# Altium PCB LeVentilateur.PcbDoc (part 1 of 2) (continued)
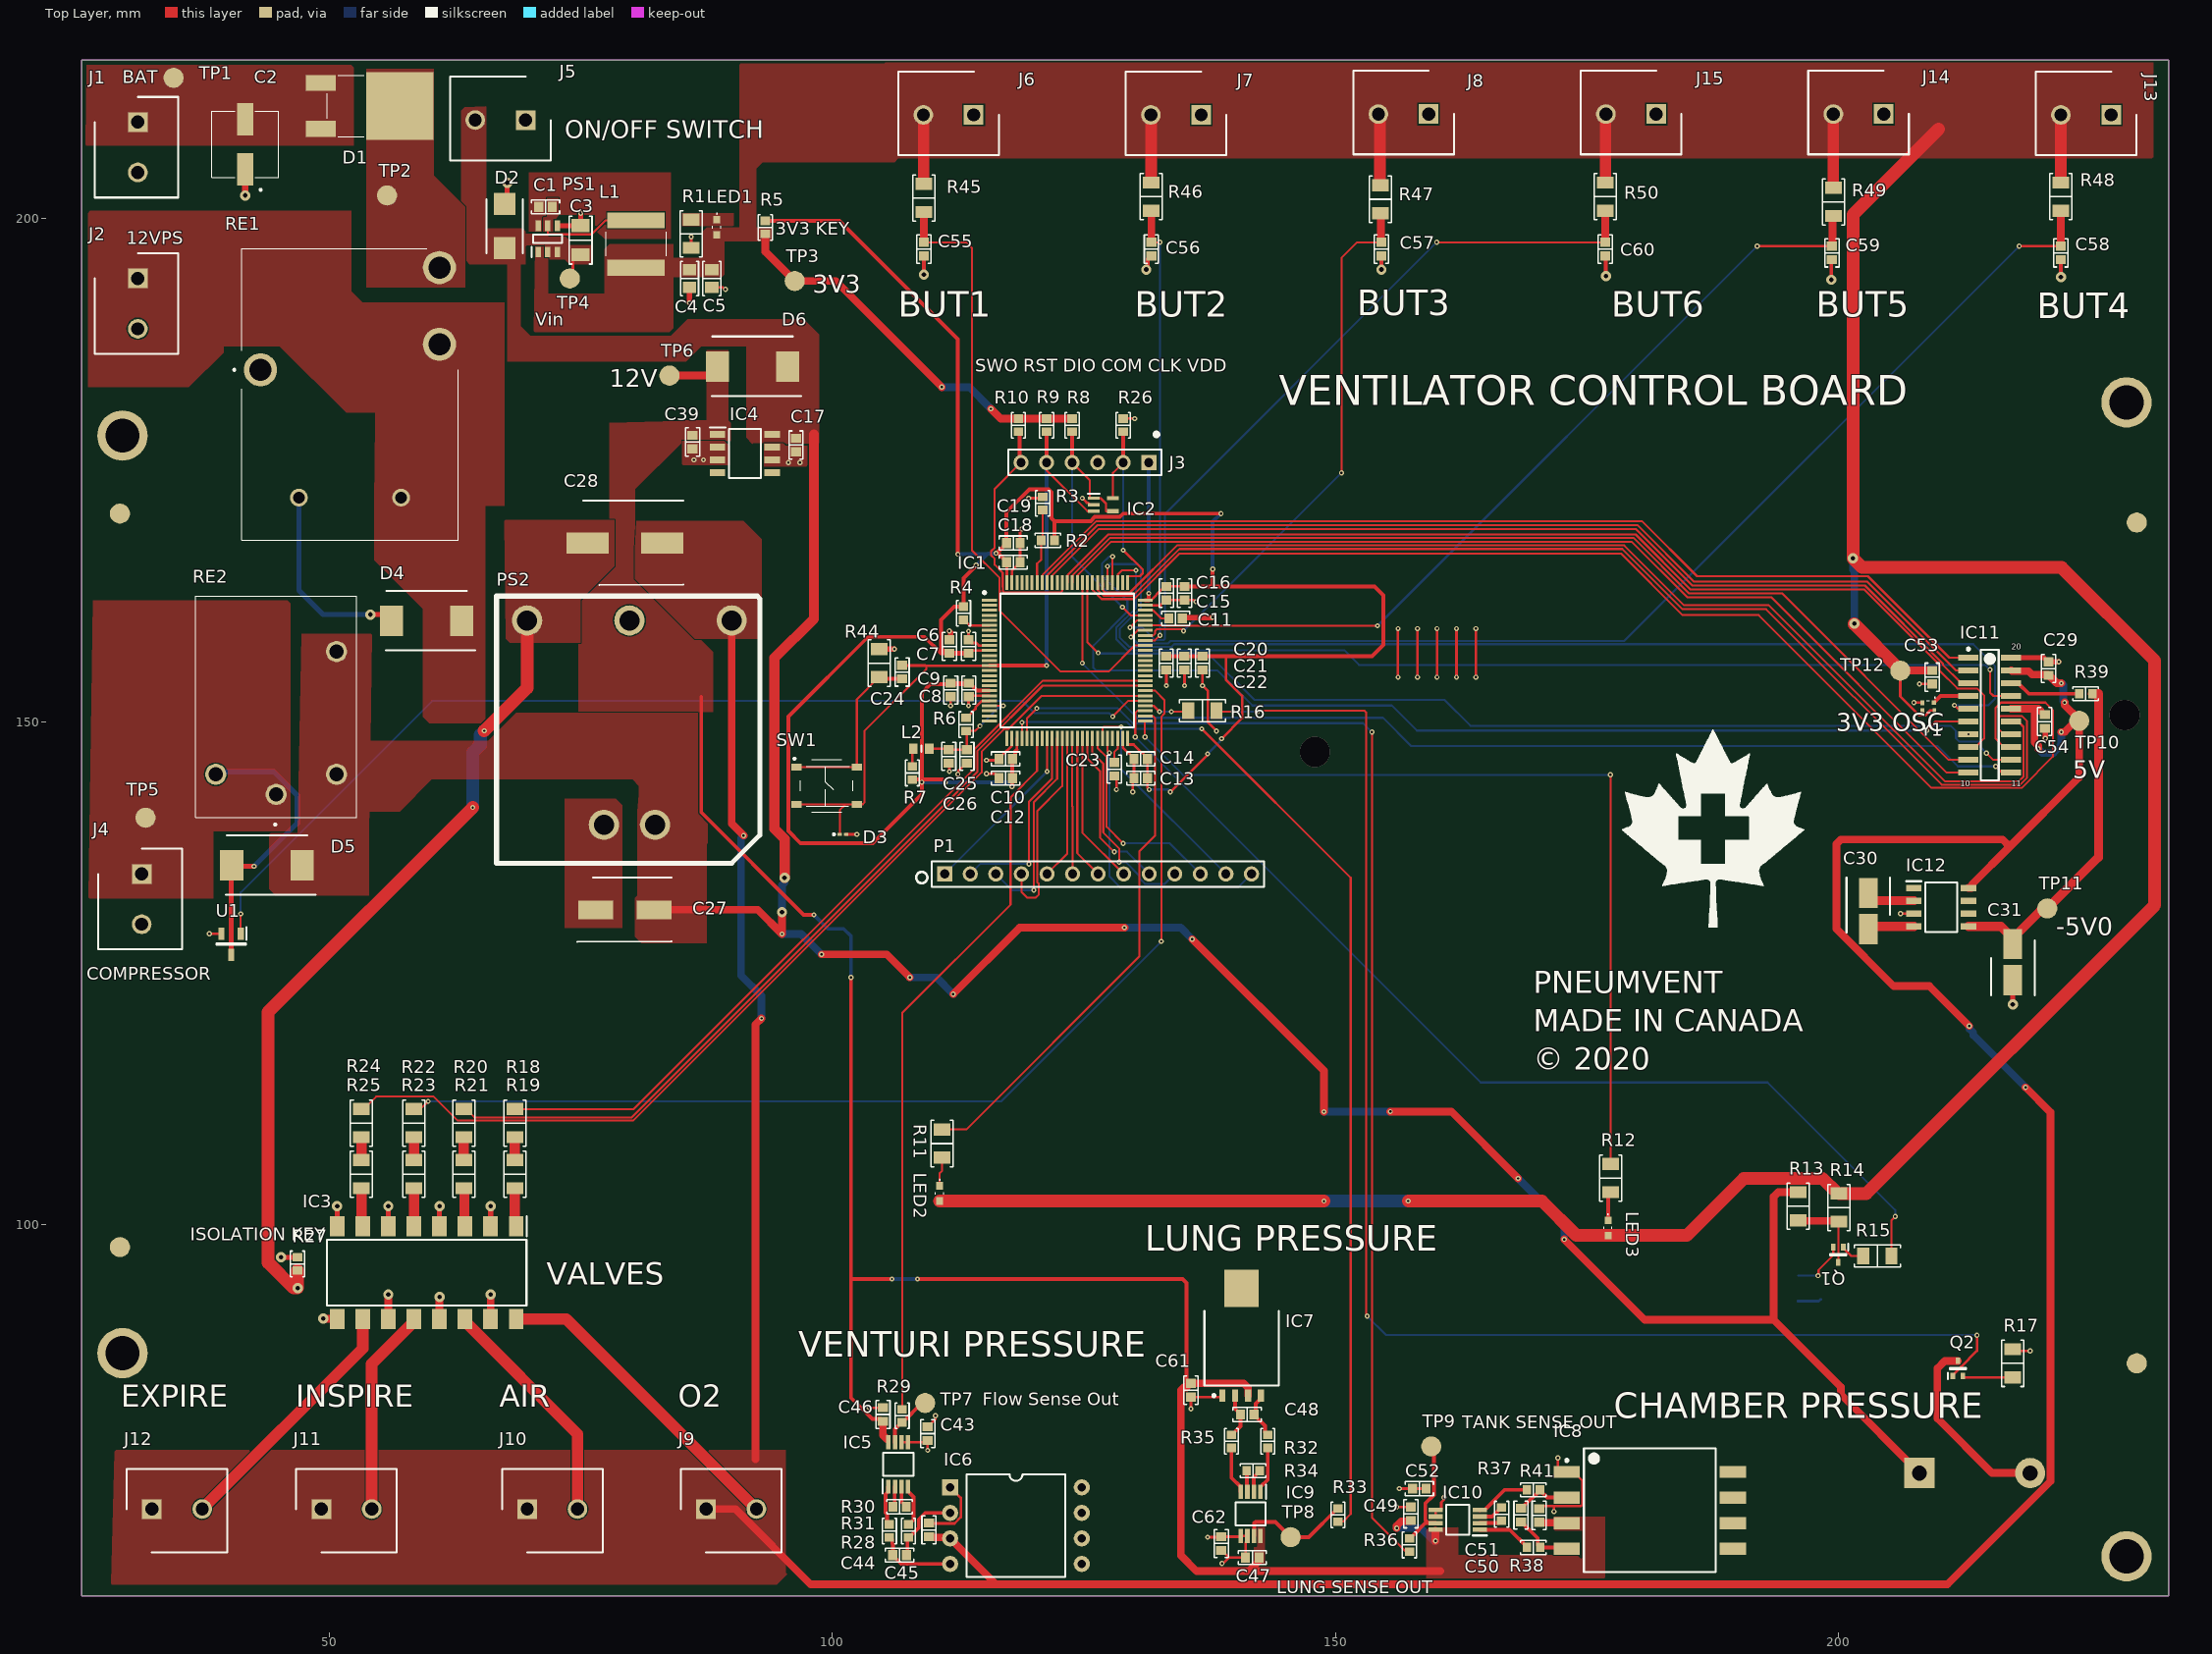
[diagram p0: Top Layer view]
## Part data (continued)
LED4: library part QBHP686-IWK-CW, "Red 620nm LED Indication - Discrete 2.4V 1113 (2835 Metric)", Case/Package=1113, Color=Red, Forward Voltage=2.4V, Lens Color=Colorless, Manufacturer 1=QT-Brightek, Manufacturer Part Number 1=QBHP686-RH, Supplier Part Number 1=1516-1369-1-ND, Test Current=150mA, Case Code (Imperial)=1113, ComponentLink1Description="http://www.qt-brightek.com/datasheet/QBHP686-XXH Series.pdf?src-supplier=Digi-Key", ComponentLink1URL="http://www.qt-brightek.com/datasheet/QBHP686-XXH Series.pdf?src-supplier=Digi-Key", Dominant Wavelength=620nm, Height=1mm, Length=3.1mm, Lens Style=Flat, Lens Transparency=Clear, Mount="Surface Mount", Packaging="Tape and Reel", Pricing 1="1 = 0.85000, 10 = 0.66200, 100 = 0.42530, 500 = 0.35910, 1000 = 0.28350 (USD)", RoHS 1=No, Stock 1=3690, Supplier 1=Digi-Key, Viewing Angle=120°, Width=2.8mm
P1: "Header, 13-Pin", Color=Black, Manufacturer 1=Sullins, Manufacturer Part Number 1=PREC013SAAN-RC, Package Quantity=1, Supplier Part Number 1=S1012EC-13-ND, ComponentLink1Description=https://datasheet.ciiva.com/740/zrzczzzszzn-rc-st-11635-b-740832.pdf?src-supplier=Digi-Key, ComponentLink1URL=https://datasheet.ciiva.com/740/zrzczzzszzn-rc-st-11635-b-740832.pdf?src-supplier=Digi-Key, Connector Type="Male Pin", Contact Mating Length=0.23inch, Contact Plating=Tin, Description 1="CONN HEADER .100 SNGL STR 13POS", LatestRevisionDate=17-Jul-2002, LatestRevisionNote="Re-released for DXP Platform.", Mount="Through Hole", Number of Positions=13, Number of Rows=1, Packaging=Bulk, Pitch=0.1inch, Pricing 1="1 = 0.29000, 10 = 0.27000, 25 = 0.23160, 50 = 0.19700, 100 = 0.18920, 250 = 0.16988, 500 = 0.16216 (USD)", Publisher="Altium Limited", RoHS 1=Yes, Stock 1=1831, Supplier 1=Digi-Key, Termination=Solder
PS1: "IC REG BUCK 3.3V 2A TSOT26", Manufacturer 1=Diodes, Supplier Part Number 1=AP63203WU-7DICT-ND, ComponentLink1Description=http://www.farnell.com/datasheets/2741240.pdf?src-supplier=Farnell, ComponentLink1URL=http://www.farnell.com/datasheets/2741240.pdf?src-supplier=Farnell, ComponentLink2Description=https://api.kemet.com/component-edge/download/datasheet/C0603C104K5RECAUTO.pdf?src-supplier=Digi-Key, ComponentLink2URL=https://api.kemet.com/component-edge/download/datasheet/C0603C104K5RECAUTO.pdf?src-supplier=Digi-Key, ComponentLink3Description=http://www.farnell.com/datasheets/2741240.pdf?src-supplier=Newark, ComponentLink3URL=http://www.farnell.com/datasheets/2741240.pdf?src-supplier=Newark, ComponentLink4Description=http://www.samsungsem.com/kr/support/product-search/mlcc/CL31A106MBHNNNE.jsp?src-supplier=Digi-Key, ComponentLink4URL=http://www.samsungsem.com/kr/support/product-search/mlcc/CL31A106MBHNNNE.jsp?src-supplier=Digi-Key, Description 1="AP63203 Series 3.3 V 2 A SMT Fixed Low IQ Synchronous Buck - TSOT-26", Manufacturer Part Number 1=AP63203WU-7, Pricing 1="1 = 0.83000, 10 = 0.74500, 25 = 0.70720, 100 = 0.54290, 250 = 0.47976, 500 = 0.45450, 1000 = 0.35350 (USD)", RoHS 1=No, Stock 1=8615, Supplier 1=Digi-Key
PS2: "5V 1.2A Though Hole Power Modules", Manufacturer 1=LCS-HENIPER, Manufacturer Part Number 1=HL06M12S05A
Q1 Q2: library part 2N7002,215, "MOSFET N-CH 60V 300MA SOT-23", Continuous Drain Current (ID)=200mA, Drain to Source Voltage (Vdss)=50V, Input Capacitance=26pF, Manufacturer 1=Rohm, Manufacturer Part Number 1=RYE002N05TCL, Max Power Dissipation=150mW, Supplier Part Number 1=RYE002N05TCLCT-ND, ComponentLink1Description=Datasheet, ComponentLink1URL=http://www.nxp.com/documents/data_sheet/2N7002.pdf, ComponentLink2Description="Digi-Key Listing", ComponentLink2URL=http://www.digikey.com/product-detail/en/2N7002,215/568-1369-2-ND/762973, ComponentLink3Description=http://www.mouser.com/ds/2/348/rye002n05-515252.pdf?src-supplier=Mouser, ComponentLink3URL=http://www.mouser.com/ds/2/348/rye002n05-515252.pdf?src-supplier=Mouser, ComponentLink4Description=https://www.rohm.com/datasheet/RYE002N05?src-supplier=Digi-Key, ComponentLink4URL=https://www.rohm.com/datasheet/RYE002N05?src-supplier=Digi-Key, ComponentLink5Description=http://www.rohm.com/web/global/datasheet/RYE002N05?src-supplier=Digi-Key, ComponentLink5URL=http://www.rohm.com/web/global/datasheet/RYE002N05?src-supplier=Digi-Key, ComponentLink6Description=http://rohmfs.rohm.com/en/products/databook/datasheet/discrete/transistor/mosfet/rye002n05.pdf?src-supplier=Avnet, ComponentLink6URL=http://rohmfs.rohm.com/en/products/databook/datasheet/discrete/transistor/mosfet/rye002n05.pdf?src-supplier=Avnet, Description 1="MOSFET N-CH 50V 0.2A EMT3", Lead Free="Lead Free", Mount="Surface Mount", Packaging="Tape and Reel", Pricing 1="1 = 0.20000, 10 = 0.16300, 25 = 0.13680, 100 = 0.08660, 250 = 0.06688, 500 = 0.05700, 1000 = 0.03876 (USD)", Rds On Max=2.2R, RoHS 1=Yes, Stock 1=5369, Supplier 1=Digi-Key
R1 R11 R12 R13 R18 R19 R20 R21 R22 R23 R24 R25 R44 R45 R46 R47 R48 R49 R50: library part ERJ-8ENF1002V, "RES SMD 10K OHM 1% 1/4W 1206", Case/Package=1206, Case Code (Metric)=3216, Manufacturer 1=Yageo, Manufacturer Part Number 1=RC1206FR-07200RL, Max Operating Temperature=155°C, Min Operating Temperature=-55°C, Power Rating=250mW, Resistance=200R, Supplier Part Number 1=311-200FRCT-ND, Temperature Coefficient=100ppm/°C, Tolerance=1%, Voltage Rating=200V, Case Code (Imperial)=1206, ComponentLink1Description=Datasheet, ComponentLink1URL=http://industrial.panasonic.com/www-cgi/jvcr13pz.cgi?E+PZ+3+AOA0002+ERJ8ENF1002V+7+WW, ComponentLink2Description="Digi-Key listing", ComponentLink2URL=http://digikey.com/product-detail/en/ERJ-8ENF1002V/P10.0KFTR-ND/89059, ComponentLink3Description=https://datasheet.ciiva.com/11808/0900766b80c6630a-11808603.pdf?src-supplier=RSComponents, ComponentLink3URL=https://datasheet.ciiva.com/11808/0900766b80c6630a-11808603.pdf?src-supplier=RSComponents, Composition="Thick Film", Depth=1.6mm, Description 1="Res Thick Film 1206 200 Ohm 1% 0.25W(1/4W) ±100ppm/C Molded SMD Paper T/R", Height=0.55mm, Lead Free="Lead Free", Length=3.1mm, Military Standard=Not, Mount="Surface Mount", Packaging="Tape and Reel", Pricing 1="1 = 0.10000, 10 = 0.07100, 100 = 0.02910, 1000 = 0.01306, 2500 = 0.01134 (USD)", RoHS 1=Yes, Stock 1=2870115, Supplier 1=Digi-Key, Termination=SMD/SMT, Voltage Rating (DC)=200V, Weight=0.000571oz, Width=1.6mm
R2 R4 R5 R7 R27 R29 R30 R33 R34 R36 R37 R39: library part ERJ-3EKF1001V, "RES SMD 0 OHM JUMPER 1/10W 0603", Case/Package=0603, Case Code (Metric)=1608, Manufacturer 1=Panasonic, Manufacturer Part Number 1=ERJ-3GEY0R00V, Max Operating Temperature=155°C, Max Power Dissipation=100mW, Min Operating Temperature=-55°C, Package Quantity=1, Resistance=0mR, Supplier Part Number 1=P0.0GDKR-ND, Temperature Coefficient=600ppm/°C, Tolerance=0%, Voltage Rating=75V, Voltage Rating (DC)=50V, Case Code (Imperial)=0603, ComponentLink1Description=Datasheet, ComponentLink1URL=http://industrial.panasonic.com/www-cgi/jvcr13pz.cgi?E+PZ+3+AOA0002+ERJ3EKF1001V+7+WW, ComponentLink2Description="Digi-Key listing", ComponentLink2URL=http://digikey.com/product-detail/en/ERJ-3EKF1001V/P1.00KHTR-ND/196032, ComponentLink3Description=https://datasheet.ciiva.com/27055/1935748-27055113.pdf?src-supplier=Jameco, ComponentLink3URL=https://datasheet.ciiva.com/27055/1935748-27055113.pdf?src-supplier=Jameco, ComponentLink4Description=https://datasheet.ciiva.com/11808/0900766b80f806dd-11808207.pdf?src-supplier=RSComponents, ComponentLink4URL=https://datasheet.ciiva.com/11808/0900766b80f806dd-11808207.pdf?src-supplier=RSComponents, ComponentLink5Description=https://datasheet.ciiva.com/48532/aoa0000ce1-48532165.pdf?src-supplier=Avnet, ComponentLink5URL=https://datasheet.ciiva.com/48532/aoa0000ce1-48532165.pdf?src-supplier=Avnet, ComponentLink6Description=https://datasheet.ciiva.com/43460/1678796-43460647.pdf?src-supplier=Farnell, ComponentLink6URL=https://datasheet.ciiva.com/43460/1678796-43460647.pdf?src-supplier=Farnell, ComponentLink7Description=https://datasheet.ciiva.com/28695/1678796-28695833.pdf?src-supplier=Element14, ComponentLink7URL=https://datasheet.ciiva.com/28695/1678796-28695833.pdf?src-supplier=Element14, ComponentLink8Description=https://datasheet.ciiva.com/5959/1678796-5959707.pdf?src-supplier=Farnell, ComponentLink8URL=https://datasheet.ciiva.com/5959/1678796-5959707.pdf?src-supplier=Farnell, ComponentLink9Description=https://datasheet.ciiva.com/46377/1678796-46377868.pdf?src-supplier=Element14, ComponentLink9URL=https://datasheet.ciiva.com/46377/1678796-46377868.pdf?src-supplier=Element14, ComponentLink10Description=https://datasheet.ciiva.com/9198/aoa0000ce1-9198975.pdf?src-supplier=Avnet, ComponentLink10URL=https://datasheet.ciiva.com/9198/aoa0000ce1-9198975.pdf?src-supplier=Avnet, ComponentLink11Description=https://datasheet.ciiva.com/16758/70255313-16758527.pdf?src-supplier=Allied+Electronics, ComponentLink11URL=https://datasheet.ciiva.com/16758/70255313-16758527.pdf?src-supplier=Allied+Electronics, ComponentLink12Description=https://datasheet.ciiva.com/16834/aoa0000ce1-16834828.pdf?src-supplier=Future+Electronics, ComponentLink12URL=https://datasheet.ciiva.com/16834/aoa0000ce1-16834828.pdf?src-supplier=Future+Electronics, ComponentLink13Description=https://datasheet.ciiva.com/17215/aoa0000ce1-17215388.pdf?src-supplier=Avnet+Europe, ComponentLink13URL=https://datasheet.ciiva.com/17215/aoa0000ce1-17215388.pdf?src-supplier=Avnet+Europe, ComponentLink14Description=https://datasheet.ciiva.com/30199/4aoa0000ce1-30199822.pdf?src-supplier=Onlinecomponents.com, ComponentLink14URL=https://datasheet.ciiva.com/30199/4aoa0000ce1-30199822.pdf?src-supplier=Onlinecomponents.com, Composition="Thick Film", Contact Plating=Tin, Depth=0.8mm, Description 1="Res Thick Film 0603 0 Ohm Jumper Molded SMD Punched Carrier T/R", Features="Automotive AEC-Q200", Height=0.45mm, Lead Free="Lead Free", Length=1.6mm, Military Standard=Not, Mount="Surface Mount", Number of Terminations=2, Packaging="Tape and Reel", Power Rating=100mW, Pricing 1="1 = 0.10000, 10 = 0.03800, 25 = 0.02760, 50 = 0.02120, 100 = 0.01560, 250 = 0.01188, 500 = 0.00950, 1000 = 0.00700 (USD)", Radiation Hardening=No, REACH SVHC="No SVHC", RoHS 1=Yes, Stock 1=17444338, Supplier 1=Digi-Key, Termination=SMD/SMT, Width=0.031inch
R3 R8 R9 R10 R26: library part ERJ-3EKF1001V, "RES SMD 10K OHM 5% 1/10W 0603", Case/Package=0603, Case Code (Metric)=1608, Manufacturer 1=Yageo, Manufacturer Part Number 1=RC0603JR-0710KL, Max Operating Temperature=155°C, Max Power Dissipation=100mW, Min Operating Temperature=-55°C, Resistance=10kR, Supplier Part Number 1=311-10KGRCT-ND, Temperature Coefficient=100ppm/°C, Tolerance=5%, Voltage Rating=50V, Case Code (Imperial)=0603, ComponentLink1Description=Datasheet, ComponentLink1URL=http://industrial.panasonic.com/www-cgi/jvcr13pz.cgi?E+PZ+3+AOA0002+ERJ3EKF1001V+7+WW, ComponentLink2Description="Digi-Key listing", ComponentLink2URL=http://digikey.com/product-detail/en/ERJ-3EKF1001V/P1.00KHTR-ND/196032, ComponentLink3Description=https://datasheet.ciiva.com/27055/1935748-27055113.pdf?src-supplier=Jameco, ComponentLink3URL=https://datasheet.ciiva.com/27055/1935748-27055113.pdf?src-supplier=Jameco, ComponentLink4Description=https://datasheet.ciiva.com/11808/0900766b80f806dd-11808207.pdf?src-supplier=RSComponents, ComponentLink4URL=https://datasheet.ciiva.com/11808/0900766b80f806dd-11808207.pdf?src-supplier=RSComponents, ComponentLink5Description=https://datasheet.ciiva.com/48532/aoa0000ce1-48532165.pdf?src-supplier=Avnet, ComponentLink5URL=https://datasheet.ciiva.com/48532/aoa0000ce1-48532165.pdf?src-supplier=Avnet, ComponentLink6Description=https://datasheet.ciiva.com/43460/1678796-43460647.pdf?src-supplier=Farnell, ComponentLink6URL=https://datasheet.ciiva.com/43460/1678796-43460647.pdf?src-supplier=Farnell, ComponentLink7Description=https://datasheet.ciiva.com/28695/1678796-28695833.pdf?src-supplier=Element14, ComponentLink7URL=https://datasheet.ciiva.com/28695/1678796-28695833.pdf?src-supplier=Element14, ComponentLink8Description=https://datasheet.ciiva.com/5959/1678796-5959707.pdf?src-supplier=Farnell, ComponentLink8URL=https://datasheet.ciiva.com/5959/1678796-5959707.pdf?src-supplier=Farnell, ComponentLink9Description=https://datasheet.ciiva.com/46377/1678796-46377868.pdf?src-supplier=Element14, ComponentLink9URL=https://datasheet.ciiva.com/46377/1678796-46377868.pdf?src-supplier=Element14, ComponentLink10Description=https://datasheet.ciiva.com/9198/aoa0000ce1-9198975.pdf?src-supplier=Avnet, ComponentLink10URL=https://datasheet.ciiva.com/9198/aoa0000ce1-9198975.pdf?src-supplier=Avnet, ComponentLink11Description=https://datasheet.ciiva.com/16758/70255313-16758527.pdf?src-supplier=Allied+Electronics, ComponentLink11URL=https://datasheet.ciiva.com/16758/70255313-16758527.pdf?src-supplier=Allied+Electronics, ComponentLink12Description=https://datasheet.ciiva.com/16834/aoa0000ce1-16834828.pdf?src-supplier=Future+Electronics, ComponentLink12URL=https://datasheet.ciiva.com/16834/aoa0000ce1-16834828.pdf?src-supplier=Future+Electronics, ComponentLink13Description=https://datasheet.ciiva.com/17215/aoa0000ce1-17215388.pdf?src-supplier=Avnet+Europe, ComponentLink13URL=https://datasheet.ciiva.com/17215/aoa0000ce1-17215388.pdf?src-supplier=Avnet+Europe, ComponentLink14Description=https://datasheet.ciiva.com/30199/4aoa0000ce1-30199822.pdf?src-supplier=Onlinecomponents.com, ComponentLink14URL=https://datasheet.ciiva.com/30199/4aoa0000ce1-30199822.pdf?src-supplier=Onlinecomponents.com, ComponentLink15Description=https://datasheet.ciiva.com/2452/pyu-rc-group-51-rohs-l-10-2452848.pdf?src-supplier=Digi-Key, ComponentLink15URL=https://datasheet.ciiva.com/2452/pyu-rc-group-51-rohs-l-10-2452848.pdf?src-supplier=Digi-Key, Composition="Thick Film", Contact Plating=Tin,Matte, Depth=0.8mm, Description 1="Surface Mount Thick Film Resistor, RC Series, 10 kohm, 100 mW, - 5%, 50 V, 0603 [1608 Metric]", Features="Moisture Resistant", Height - Seated (Max)=0.022inch, Lead Free="Lead Free", Length=0.063inch, Military Standard=Not, Number of Pins=2, Number of Terminations=2, Packaging="Tape and Reel", Power Rating=100mW, Pricing 1="1 = 0.10000, 10 = 0.01900, 100 = 0.00770, 1000 = 0.00347, 2500 = 0.00301 (USD)", Radiation Hardening=No, REACH SVHC=Unknown, RoHS 1=Yes, Stock 1=3333728, Supplier 1=Digi-Key, Termination=SMD/SMT, Voltage Rating (DC)=50V, Width=0.031inch
R6: library part ERJ-3EKF1001V, "RESISTOR 47 Ohms ±5% 0.1W, 1/10W Chip Resistor 0603", Manufacturer 1="TE Connectivity", Manufacturer Part Number 1=CRGCQ0603J47R, Supplier Part Number 1=A130083CT-ND, ComponentLink1Description=Datasheet, ComponentLink1URL=http://industrial.panasonic.com/www-cgi/jvcr13pz.cgi?E+PZ+3+AOA0002+ERJ3EKF1001V+7+WW, ComponentLink2Description="Digi-Key listing", ComponentLink2URL=http://digikey.com/product-detail/en/ERJ-3EKF1001V/P1.00KHTR-ND/196032, ComponentLink3Description=https://datasheet.ciiva.com/27055/1935748-27055113.pdf?src-supplier=Jameco, ComponentLink3URL=https://datasheet.ciiva.com/27055/1935748-27055113.pdf?src-supplier=Jameco, ComponentLink4Description=https://datasheet.ciiva.com/11808/0900766b80f806dd-11808207.pdf?src-supplier=RSComponents, ComponentLink4URL=https://datasheet.ciiva.com/11808/0900766b80f806dd-11808207.pdf?src-supplier=RSComponents, ComponentLink5Description=https://datasheet.ciiva.com/48532/aoa0000ce1-48532165.pdf?src-supplier=Avnet, ComponentLink5URL=https://datasheet.ciiva.com/48532/aoa0000ce1-48532165.pdf?src-supplier=Avnet, ComponentLink6Description=https://datasheet.ciiva.com/43460/1678796-43460647.pdf?src-supplier=Farnell, ComponentLink6URL=https://datasheet.ciiva.com/43460/1678796-43460647.pdf?src-supplier=Farnell, ComponentLink7Description=https://datasheet.ciiva.com/28695/1678796-28695833.pdf?src-supplier=Element14, ComponentLink7URL=https://datasheet.ciiva.com/28695/1678796-28695833.pdf?src-supplier=Element14, ComponentLink8Description=https://datasheet.ciiva.com/5959/1678796-5959707.pdf?src-supplier=Farnell, ComponentLink8URL=https://datasheet.ciiva.com/5959/1678796-5959707.pdf?src-supplier=Farnell, ComponentLink9Description=https://datasheet.ciiva.com/46377/1678796-46377868.pdf?src-supplier=Element14, ComponentLink9URL=https://datasheet.ciiva.com/46377/1678796-46377868.pdf?src-supplier=Element14, ComponentLink10Description=https://datasheet.ciiva.com/9198/aoa0000ce1-9198975.pdf?src-supplier=Avnet, ComponentLink10URL=https://datasheet.ciiva.com/9198/aoa0000ce1-9198975.pdf?src-supplier=Avnet, ComponentLink11Description=https://datasheet.ciiva.com/16758/70255313-16758527.pdf?src-supplier=Allied+Electronics, ComponentLink11URL=https://datasheet.ciiva.com/16758/70255313-16758527.pdf?src-supplier=Allied+Electronics, ComponentLink12Description=https://datasheet.ciiva.com/16834/aoa0000ce1-16834828.pdf?src-supplier=Future+Electronics, ComponentLink12URL=https://datasheet.ciiva.com/16834/aoa0000ce1-16834828.pdf?src-supplier=Future+Electronics, ComponentLink13Description=https://datasheet.ciiva.com/17215/aoa0000ce1-17215388.pdf?src-supplier=Avnet+Europe, ComponentLink13URL=https://datasheet.ciiva.com/17215/aoa0000ce1-17215388.pdf?src-supplier=Avnet+Europe, ComponentLink14Description=https://datasheet.ciiva.com/30199/4aoa0000ce1-30199822.pdf?src-supplier=Onlinecomponents.com, ComponentLink14URL=https://datasheet.ciiva.com/30199/4aoa0000ce1-30199822.pdf?src-supplier=Onlinecomponents.com, ComponentLink15Description=https://www.te.com/commerce/DocumentDelivery/DDEController?Action=srchrtrv&DocNm=1773204-3&DocType=DS&DocLang=English&src-supplier=Digi-Key, ComponentLink15URL=https://www.te.com/commerce/DocumentDelivery/DDEController?Action=srchrtrv&DocNm=1773204-3&DocType=DS&DocLang=English&src-supplier=Digi-Key, Description 1="CRGCQ 0603 47R 5%", Pricing 1="1 = 0.10000, 10 = 0.02100, 100 = 0.00860, 1000 = 0.00387, 2500 = 0.00336 (USD)", RoHS 1=No, Stock 1=81962, Supplier 1=Digi-Key
R14 R15 R16: library part ERJ-8ENF10R0V, "RES 20 OHM 1% 1/2W 1206", Case/Package=1206, Case Code (Metric)=3216, Manufacturer 1="Stackpole Electronics", Manufacturer Part Number 1=RNCP1206FTD20R0, Max Operating Temperature=155°C, Max Power Dissipation=500mW, Min Operating Temperature=-55°C, Resistance=20R, Supplier Part Number 1=RNCP1206FTD20R0CT-ND, Temperature Coefficient=100ppm/°C, Tolerance=1%, Case Code (Imperial)=1206, ComponentLink1Description=Datasheet, ComponentLink1URL=http://industrial.panasonic.com/www-cgi/jvcr13pz.cgi?E+PZ+3+AOA0002+ERJ8ENF10R0V+7+WW, ComponentLink2Description="Digi-Key listing", ComponentLink2URL=http://digikey.com/product-detail/en/ERJ-8ENF10R0V/P10.0FTR-ND/88239, ComponentLink3Description=http://www.seielect.com/Catalog/SEI-rncp.pdf?src-supplier=Digi-Key, ComponentLink3URL=http://www.seielect.com/Catalog/SEI-rncp.pdf?src-supplier=Digi-Key, ComponentLink4Description=https://www.seielect.com/catalog/SEI-Packaging.pdf?src-supplier=Digi-Key, ComponentLink4URL=https://www.seielect.com/catalog/SEI-Packaging.pdf?src-supplier=Digi-Key, Composition="Thin Film", Description 1="RES SMD 20 OHM 1% 1/2W 1206", Features="Moisture Resistant,Anti-Sulfur", Height=0.024inch, Lead Free="Lead Free", Length=0.122inch, Mount="Surface Mount", Number of Terminations=2, Packaging="Tape and Reel", Pricing 1="1 = 0.10000, 10 = 0.08900, 100 = 0.03410, 1000 = 0.01500, 2500 = 0.01296 (USD)", RoHS 1=Yes, Stock 1=55462, Supplier 1=Digi-Key, Width=0.059inch
R17: library part ERJ-8ENF10R0V, "RES SMD 1.2K OHM 1% 1/4W 1206", Case/Package=1206, Case Code (Metric)=3216, Manufacturer 1=Yageo, Manufacturer Part Number 1=RC1206FR-071K2L, Max Operating Temperature=155°C, Max Power Dissipation=250mW, Min Operating Temperature=-55°C, Package Quantity=1, Resistance=1.2kR, Supplier Part Number 1=311-1.20KFRCT-ND, Temperature Coefficient=100ppm/°C, Tolerance=1%, Voltage Rating=200V, Case Code (Imperial)=1206, ComponentLink1Description=Datasheet, ComponentLink1URL=http://industrial.panasonic.com/www-cgi/jvcr13pz.cgi?E+PZ+3+AOA0002+ERJ8ENF10R0V+7+WW, ComponentLink2Description="Digi-Key listing", ComponentLink2URL=http://digikey.com/product-detail/en/ERJ-8ENF10R0V/P10.0FTR-ND/88239, ComponentLink3Description=http://www.seielect.com/Catalog/SEI-rncp.pdf?src-supplier=Digi-Key, ComponentLink3URL=http://www.seielect.com/Catalog/SEI-rncp.pdf?src-supplier=Digi-Key, ComponentLink4Description=https://www.seielect.com/catalog/SEI-Packaging.pdf?src-supplier=Digi-Key, ComponentLink4URL=https://www.seielect.com/catalog/SEI-Packaging.pdf?src-supplier=Digi-Key, ComponentLink5Description=https://datasheet.ciiva.com/7857/444357-7857274.pdf?src-supplier=Element14, ComponentLink5URL=https://datasheet.ciiva.com/7857/444357-7857274.pdf?src-supplier=Element14, ComponentLink6Description=https://datasheet.ciiva.com/7857/444357-7857275.pdf?src-supplier=Element14, ComponentLink6URL=https://datasheet.ciiva.com/7857/444357-7857275.pdf?src-supplier=Element14, ComponentLink7Description=https://datasheet.ciiva.com/2460/pyu-rc1206-51-rohs-l-4-2460285.pdf?src-supplier=Digi-Key, ComponentLink7URL=https://datasheet.ciiva.com/2460/pyu-rc1206-51-rohs-l-4-2460285.pdf?src-supplier=Digi-Key, ComponentLink8Description=https://datasheet.ciiva.com/2460/pyu-rc1206-51-rohs-l-4-2460286.pdf?src-supplier=Digi-Key, ComponentLink8URL=https://datasheet.ciiva.com/2460/pyu-rc1206-51-rohs-l-4-2460286.pdf?src-supplier=Digi-Key, ComponentLink9Description=https://datasheet.ciiva.com/2460/pyu-rc1206-51-rohs-l-4-2460287.pdf?src-supplier=Digi-Key, ComponentLink9URL=https://datasheet.ciiva.com/2460/pyu-rc1206-51-rohs-l-4-2460287.pdf?src-supplier=Digi-Key, Composition="Thick Film", Depth=1.6mm, Description 1="RES SMD 1.2K OHM 1% 1/4W 1206", Features="Moisture Resistant", Height=0.026inch, Lead Free="Lead Free", Length=3.1mm, Military Standard=Not, Number of Terminations=2, Packaging="Tape and Reel", Power Rating=250mW, Pricing 1="1 = 0.10000, 10 = 0.07100, 100 = 0.02910, 1000 = 0.01306, 2500 = 0.01134 (USD)", REACH SVHC=Unknown, RoHS 1=Yes, Stock 1=670082, Supplier 1=Digi-Key, Termination=SMD/SMT, Width=0.063inch, Working Voltage=200V
R28 R31 R32 R35 R38 R41: library part ERJ-3EKF1001V, "RES SMD100K OHM 0.5% 1/16W 0603", Case/Package=0603, Case Code (Metric)=1608, Manufacturer 1=Susumu, Manufacturer Part Number 1=RR0816P-104-D, Max Operating Temperature=125°C, Max Power Dissipation=63mW, Min Operating Temperature=-55°C, Package Quantity=1, Resistance=100kR, Supplier Part Number 1=RR08P100KDCT-ND, Temperature Coefficient=25ppm/°C, Tolerance=0.5%, Voltage Rating=75V, Case Code (Imperial)=0603, ComponentLink1Description=https://datasheet.ciiva.com/11820/0900766b80808d64-11820638.pdf?src-supplier=RSComponents, ComponentLink1URL=https://datasheet.ciiva.com/11820/0900766b80808d64-11820638.pdf?src-supplier=RSComponents, ComponentLink2Description=https://datasheet.ciiva.com/7984/87330-7984341.pdf?src-supplier=Element14, ComponentLink2URL=https://datasheet.ciiva.com/7984/87330-7984341.pdf?src-supplier=Element14, ComponentLink3Description=https://datasheet.ciiva.com/2487/rr-data-sheet-2487067.pdf?src-supplier=Digi-Key, ComponentLink3URL=https://datasheet.ciiva.com/2487/rr-data-sheet-2487067.pdf?src-supplier=Digi-Key, ComponentLink4Description=https://datasheet.ciiva.com/2487/rr-data-sheet-2487068.pdf?src-supplier=Digi-Key, ComponentLink4URL=https://datasheet.ciiva.com/2487/rr-data-sheet-2487068.pdf?src-supplier=Digi-Key, ComponentLink5Description=https://datasheet.ciiva.com/2487/rr-data-sheet-2487069.pdf?src-supplier=Digi-Key, ComponentLink5URL=https://datasheet.ciiva.com/2487/rr-data-sheet-2487069.pdf?src-supplier=Digi-Key, ComponentLink6Description=https://datasheet.ciiva.com/11820/0900766b80808d64-11820394.pdf?src-supplier=RSComponents, ComponentLink6URL=https://datasheet.ciiva.com/11820/0900766b80808d64-11820394.pdf?src-supplier=RSComponents, ComponentLink7Description=https://datasheet.ciiva.com/28695/1678796-28695833.pdf?src-supplier=Element14, ComponentLink7URL=https://datasheet.ciiva.com/28695/1678796-28695833.pdf?src-supplier=Element14, ComponentLink8Description=https://datasheet.ciiva.com/5959/1678796-5959707.pdf?src-supplier=Farnell, ComponentLink8URL=https://datasheet.ciiva.com/5959/1678796-5959707.pdf?src-supplier=Farnell, ComponentLink9Description=https://datasheet.ciiva.com/46377/1678796-46377868.pdf?src-supplier=Element14, ComponentLink9URL=https://datasheet.ciiva.com/46377/1678796-46377868.pdf?src-supplier=Element14, ComponentLink10Description=https://datasheet.ciiva.com/9198/aoa0000ce1-9198975.pdf?src-supplier=Avnet, ComponentLink10URL=https://datasheet.ciiva.com/9198/aoa0000ce1-9198975.pdf?src-supplier=Avnet, ComponentLink11Description=https://datasheet.ciiva.com/16758/70255313-16758527.pdf?src-supplier=Allied+Electronics, ComponentLink11URL=https://datasheet.ciiva.com/16758/70255313-16758527.pdf?src-supplier=Allied+Electronics, ComponentLink12Description=https://datasheet.ciiva.com/16834/aoa0000ce1-16834828.pdf?src-supplier=Future+Electronics, ComponentLink12URL=https://datasheet.ciiva.com/16834/aoa0000ce1-16834828.pdf?src-supplier=Future+Electronics, ComponentLink13Description=https://datasheet.ciiva.com/17215/aoa0000ce1-17215388.pdf?src-supplier=Avnet+Europe, ComponentLink13URL=https://datasheet.ciiva.com/17215/aoa0000ce1-17215388.pdf?src-supplier=Avnet+Europe, ComponentLink14Description=https://datasheet.ciiva.com/30199/4aoa0000ce1-30199822.pdf?src-supplier=Onlinecomponents.com, ComponentLink14URL=https://datasheet.ciiva.com/30199/4aoa0000ce1-30199822.pdf?src-supplier=Onlinecomponents.com, ComponentLink15Description=https://datasheet.ciiva.com/7984/87330-7984334.pdf?src-supplier=Element14, ComponentLink15URL=https://datasheet.ciiva.com/7984/87330-7984334.pdf?src-supplier=Element14, Composition="Thin Film", Depth=0.8mm, Description 1="RES SMD 100K OHM 0.5% 1/16W 0603", Height=0.4mm, Lead Free="Lead Free", Length=1.6mm, Number of Pins=2, Number of Terminations=2, Packaging="Tape and Reel", Power Rating=63mW, Pricing 1="1 = 0.10000, 10 = 0.09300, 100 = 0.03580, 1000 = 0.01575, 2500 = 0.01360 (USD)", REACH SVHC=Unknown, RoHS 1=Yes, Stock 1=90889, Supplier 1=Digi-Key, Termination=SMD/SMT, Voltage Rating (DC)=75V, Width=0.8mm, Working Voltage=75V
RE1: "RELAY GEN PURPOSE SPDT 20A 12V", Coil Current=75mA, Coil Power=900mW, Coil Resistance=160R, Coil Voltage (DC)=12V, Contact Current Rating=20A, Manufacturer 1="TE Connectivity P&B", Manufacturer Part Number 1=T9GV5L14-12, Max Operating Temperature=105°C, Min Operating Temperature=-40°C, Supplier Part Number 1=PB2355-ND, Coil Type=Non-Latching, ComponentLink1Description=https://www.te.com/commerce/DocumentDelivery/DDEController?Action=srchrtrv&amp;DocNm=T9G_1216&amp;DocType=DS&amp;DocLang=English&src-supplier=Digi-Key, ComponentLink1URL=https://www.te.com/commerce/DocumentDelivery/DDEController?Action=srchrtrv&amp;DocNm=T9G_1216&amp;DocType=DS&amp;DocLang=English&src-supplier=Digi-Key, Contact Material=Tin,Silver, Mount="Through Hole", Operate Time=15ms, Packaging=Bulk, Pricing 1="1 = 4.10000, 10 = 3.84800, 25 = 3.42000, 50 = 3.24900, 100 = 3.07800, 250 = 2.73600, 500 = 2.56500, 1000 = 2.39400, 5000 = 2.30850 (USD)", Relay Type="General Purpose", Release Time=22ms, RoHS 1=No, Stock 1=1403, Supplier 1=Digi-Key, Termination="PC Pin", Throw Configuration=SPDT
RE2: "RELAY AUTOMOTIVE SPST 15A 12V", Coil Current=53.3mA, Coil Power=640mW, Coil Resistance=225R, Coil Voltage (DC)=12V, Contact Current Rating=15A, Manufacturer 1=Panasonic, Manufacturer Part Number 1=JSM1A-12V-5, Max Operating Temperature=85°C, Max Voltage Rating (DC)=16V, Min Operating Temperature=-40°C, Package Quantity=100, Supplier Part Number 1=255-2815-ND, Coil Type=Non-Latching, ComponentLink1Description=https://datasheet.ciiva.com/2408/ds-61211-en-jsm-pd-2408039.pdf?src-supplier=Digi-Key, ComponentLink1URL=https://datasheet.ciiva.com/2408/ds-61211-en-jsm-pd-2408039.pdf?src-supplier=Digi-Key, Contact Material=Silver,Cadmium, Description 1="RELAY AUTOMOTIVE SPST 15A 12V", Lead Free="Lead Free", Max Current Rating=15A, Mount="Through Hole", Number of Pins=4, Operate Time=10ms, Packaging=Bulk, Power Consumption=640mW, Pricing 1="1 = 1.75000, 10 = 1.64300, 25 = 1.46000, 50 = 1.38700, 100 = 1.31400, 250 = 1.16800, 500 = 1.09500, 1000 = 1.02200, 5000 = 0.98550 (USD)", Relay Type=Automotive, Release Time=10ms, RoHS 1=Yes, Stock 1=2893, Supplier 1=Digi-Key, Termination="PC Pin", Throw Configuration=SPST, Weight=12g
SW1: "Tactile Switch SPST-NO Top Actuated Surface Mount", Manufacturer 1="ITT C&K", Manufacturer Part Number 1=PTS526SM15SMTR2LFS, Supplier Part Number 1=CKN12220-1-ND, Pricing 1="1 = 0.10000, 10 = 0.08500, 25 = 0.08240, 50 = 0.07940, 100 = 0.07500, 250 = 0.07064, 500 = 0.06768, 1000 = 0.05149 (USD)", RoHS 1=No, Stock 1=5684, Supplier 1=Digi-Key
TP1 TP2 TP3 TP4 TP6 TP7 TP8 TP9 TP10 TP11 TP12: "Test Point", Manufacturer 1=N/A
TP5: "Test Point"
U1: "IC PWR DRVR N-CHAN 1:1 SOT23-3", Case/Package=SOT-23, Continuous Drain Current (ID)=150mA, Current Rating=200mA, Drain to Source Breakdown Voltage=28V, Drain to Source Resistance=800mR, Gate to Source Voltage (Vgs)=12V, Manufacturer 1="ON Semiconductor", Max Operating Temperature=125°C, Min Operating Temperature=-40°C, On-State Resistance=1.4R, Package Quantity=3000, Power Dissipation=225mW, Supplier Part Number 1=NUD3124LT1GOSCT-ND, ComponentLink1Description=https://datasheet.ciiva.com/1955/nud3124-d-1955016.pdf?src-supplier=Digi-Key, ComponentLink1URL=https://datasheet.ciiva.com/1955/nud3124-d-1955016.pdf?src-supplier=Digi-Key, ComponentLink2Description=https://datasheet.ciiva.com/11168/nud3124-d-11168232.pdf?src-supplier=Avnet, ComponentLink2URL=https://datasheet.ciiva.com/11168/nud3124-d-11168232.pdf?src-supplier=Avnet, ComponentLink3Description=https://datasheet.ciiva.com/1955/nud3124-d-1955017.pdf?src-supplier=Digi-Key, ComponentLink3URL=https://datasheet.ciiva.com/1955/nud3124-d-1955017.pdf?src-supplier=Digi-Key, ComponentLink4Description=https://datasheet.ciiva.com/16486/nud3124-d-16486430.pdf?src-supplier=Avnet+Asia, ComponentLink4URL=https://datasheet.ciiva.com/16486/nud3124-d-16486430.pdf?src-supplier=Avnet+Asia, ComponentLink5Description=https://datasheet.ciiva.com/1955/nud3124-d-1955015.pdf?src-supplier=Digi-Key, ComponentLink5URL=https://datasheet.ciiva.com/1955/nud3124-d-1955015.pdf?src-supplier=Digi-Key, ComponentLink6Description=https://datasheet.ciiva.com/1609/1792914-1609179.pdf?src-supplier=Newark, ComponentLink6URL=https://datasheet.ciiva.com/1609/1792914-1609179.pdf?src-supplier=Newark, ComponentLink7Description=https://datasheet.ciiva.com/26145/nud3124-d-26145435.pdf?src-supplier=Avnet+Europe, ComponentLink7URL=https://datasheet.ciiva.com/26145/nud3124-d-26145435.pdf?src-supplier=Avnet+Europe, ComponentLink8Description=https://datasheet.ciiva.com/11166/nud3124-d-11166028.pdf?src-supplier=Avnet, ComponentLink8URL=https://datasheet.ciiva.com/11166/nud3124-d-11166028.pdf?src-supplier=Avnet, ComponentLink9Description=https://datasheet.ciiva.com/16200/nud3124-d-16200989.pdf?src-supplier=Future+Electronics, ComponentLink9URL=https://datasheet.ciiva.com/16200/nud3124-d-16200989.pdf?src-supplier=Future+Electronics, Contact Plating=Tin,Matte, Description 1="Trans MOSFET N-CH 28V 0.15A 3-Pin SOT-23 T/R", Drain to Source Voltage (Vdss)=28V, Element Configuration=Single, Fall Time=708ns, Halogen Free="Halogen Free", Height=1.01mm, Interface=On/Off, Lead Free="Lead Free", Length=3.04mm, Manufacturer Part Number 1=NUD3124LT1G, Max Output Current=150mA, Max Supply Voltage=28V, Mount="Surface Mount", Number of Drivers=1, Number of Elements=1, Number of Outputs=1, Number of Pins=3, Output Configuration="Low Side", Output Current=200mA, Output Voltage=28V, Packaging="Tape and Reel", Pricing 1="1 = 0.40000, 10 = 0.34200, 25 = 0.31880, 100 = 0.23690, 250 = 0.20044, 500 = 0.19132, 1000 = 0.14121 (USD)", Radiation Hardening=No, REACH SVHC="No SVHC", Rise Time=708ns, RoHS 1=Yes, Stock 1=48744, Supplier 1=Digi-Key, Width=1.4mm
Y1: library part DSC6083HE1A-032K800T, "MEMS OSC XO 2.0000KHZ CMOS SMD", Manufacturer 1=Microchip, Manufacturer Part Number 1=DSC6083HI2A-002K000T, Supplier Part Number 1=DSC6083HI2A-002K000TCT-ND, ComponentLink1Description=http://www.microchip.com/mymicrochip/filehandler.aspx?ddocname=en587489&src-supplier=Digi-Key, ComponentLink1URL=http://www.microchip.com/mymicrochip/filehandler.aspx?ddocname=en587489&src-supplier=Digi-Key, Description 1="MEMS OSC XO 2.0000KHZ CMOS SMD", Pricing 1="1 = 1.17000, 25 = 0.97000, 100 = 0.88000 (USD)", RoHS 1=No, Stock 1=822, Supplier 1=Digi-Key

## Free pads (board coordinates)
  round 5 hole 3.4: 4(29.464,87.249) 4(29.464,178.435) 4(228.6,67.056) 4(228.6,181.737)
  round 2 smd: 6(229.616,86.233) 7(229.616,169.799) 8(29.21,170.688) 9(29.21,97.79)
  round 1.524 on Bottom Overlay: ""(212.852,157.861)

## Via types
v1: diameter 0.508, hole 0.229, Top Layer to Bottom Layer, tented both sides, 155 vias
v2: diameter 1.016, hole 0.457, Top Layer to Bottom Layer, tented both sides, 24 vias
v3: diameter 3, hole 3, Top Layer to Bottom Layer, 2 vias

## Nets (pads, with @x,y where several pads share a name; then routed paths per layer and width w, separated by ;. In a path a pad name is that pad's centre, name@x,y a point inside that pad or via, vN(x,y) a via of type N, cw(c..) or ccw(c..) an arc to the next point about the centre after c; other vN are vias at no path point)
3V3: C4.2 C5.2 C53.1 J6.2 J7.2 J8.2 J13.2 J14.2 J15.2 L1.2 LED1.2 LED2.2 LED3.2 PS1.1 R5.1 R8.1 R9.1 R10.1 R14.2 R45.2 R46.2 R47.2 R48.2 R49.2 R50.2 TP3.1 TP12.1 Y1.4 | length 345.7
  Top Layer w0.254: TP12.1@206.121,155.083 206.121,152.536 208.025,150.632 208.595,150.632 209.099,151.136 Y1.4@209.515,151.136
  Top Layer w0.762: R5.1@93.345,198.486 93.345,196.723 TP3.1@96.266,193.802 100.33,193.802 v1(110.871,183.261) ; J6.2@108.879,210.145 J6.2@109.046,210.312 J6.2@109.069,210.288 ; R45.2@109.069,203.481 R45.2@109.093,203.457 ; v1(115.76,181.102) 116.732,180.131 R10.1@118.491,180.131 R9.1@121.285,180.131 R8.1@123.825,180.131 ; v2@201.549,159.711 v2(201.549,159.766) ; TP12.1@206.121,155.139 TP12.1@206.121,155.083 206.133,155.095 209.284,155.095 C53.1@209.296,155.107
  Top Layer w1.143: R45.2@109.069,203.481 J6.2@109.069,210.288 ; J7.2@131.652,210.312 131.675,210.288 131.675,203.608 R46.2@131.699,203.584 ; J8.2@154.258,210.393 154.412,210.239 154.412,203.358 R47.2@154.441,203.33 ; R50.2@176.784,203.584 176.795,203.584 176.824,203.612 176.824,210.353 J15.2@176.864,210.393 ; R49.2@199.47,203.073 J14.2@199.47,210.393 ; R48.2@222.076,203.584 J13.2@222.076,210.312
  Top Layer w1.27: LED2.2@110.66,102.374 148.832,102.374 v1(148.844,102.362) ; v1(157.226,102.374) 170.514,102.374 173.943,98.945 184.894,98.945 190.565,104.616 198.378,104.616 R14.2@199.835,103.159 ; R14.2@200.025,103.124 202.755,103.124 231.394,131.763 231.394,156.083 222.148,165.329 202.336,165.329 v2(201.422,166.243) 201.422,200.406 209.931,208.915 ; v2@201.549,159.711 TP12.1@206.121,155.139
  Bottom Layer w0.762: v1(110.871,183.261) 113.602,183.261 v1(115.76,181.102) ; v2(201.422,166.243) 201.422,165.1 201.549,164.973 v2(201.549,159.766)
  Bottom Layer w1.27: v1(148.844,102.362) 148.856,102.374 v1(157.226,102.374)
5V_REG: C28.1 C29.1 C45.1 C54.1 IC6.3 IC11.16 IC11.19 IC12.8 J9.1 J10.1 J11.1 J12.1 PS2.3 TP10.1 | length 372.1
  Top Layer w0.762: J9.1@87.456,71.755 90.359,71.755 97.852,64.262 116.28,64.262 ; PS2.3@89.996,160.075 89.996,139.874 v1(91.186,138.684) ; 92.354,76.708 92.354,119.913 v1(92.964,120.523) ; C45.1@109.601,69.008 109.67,68.939 111.603,68.939 IC6.3@111.708,68.834 116.28,64.262 ; IC12.8@212.897,133.477 213.223,133.477 213.279,133.533 213.279,133.859 217.002,137.582 ; v1(212.979,119.761) 209.019,123.721 205.473,123.721 199.771,129.423 199.771,137.857 200.217,138.303 216.281,138.303 217.002,137.582 ; IC11.16@217.136,151.293 219.21,151.293 ; IC11.19@217.136,155.103 217.217,155.022 218.867,155.022 219.21,154.679 220.784,154.679 C29.1@220.853,154.61 220.903,154.61 221.68,153.833 v1(222.123,153.833) ; v1(218.567,113.665) 221.034,111.198 221.034,74.506 210.79,64.262 116.28,64.262 ; v1(219.827,147.32) 219.827,147.619 219.464,147.982 219.464,148.11 219.464,151.039 219.21,151.293 ; C54.1@220.472,150.698 220.422,150.698 219.827,151.293 219.21,151.293 ; v1(222.123,148.971) 222.449,148.971 223.566,150.088 TP10.1@223.901,150.088 ; v1(222.449,151.921) 222.449,151.667 223.901,150.215 TP10.1@223.901,150.088 ; 217.002,137.582 223.901,144.481 TP10.1@223.901,150.088
  Bottom Layer w0.762: v1(91.186,138.684) 90.932,138.43 90.932,124.785 92.964,122.753 v1(92.964,120.523) ; v1(212.979,119.761) 212.979,119.507 213.36,119.126 213.36,118.872 v1(218.567,113.665) ; v1(219.827,147.32) 220.259,146.888 221.325,146.888 222.123,147.686 v1(222.123,148.971) ; v1(222.123,153.833) 222.321,153.635 222.321,152.049 v1(222.449,151.921)
12V_ISO: D4.1 J2.1 RE1.3 RE1.4
12V_REG: C39.1 C46.2 C47.2 C49.2 C51.2 C61.1 D6.2 IC4.1 IC5.8 IC7.3 IC8.3 IC9.8 IC10.8 TP6.1 | length 194.2
  Top Layer w0.381: 86.975,152.487 86.975,140.99 97.155,130.81 v1(98.171,130.81) ; v1(101.854,124.587) 101.854,94.615 ; C46.2@105.029,80.478 104.813,80.694 103.957,80.694 101.854,82.798 101.854,94.615 ; v1(105.918,94.615) 101.854,94.615 ; v1(108.458,94.615) 134.813,94.615 135.194,94.234 C61.1@135.194,83.849
  Top Layer w0.762: TP6.1@83.82,184.404 87.806,184.404 88.575,185.173 D6.2@88.575,185.293 ; C46.2@105.029,80.478 105.029,79.099 IC5.8@105.422,78.706 ; C61.1@135.194,83.849 134.926,83.849 134.628,83.551 134.628,67.158 136.206,65.58 141.376,65.58 ; C61.1@135.89,84.241 140.862,84.241 141.308,83.795 IC7.3@141.308,83.032 ; C47.2@142.407,66.929 142.338,66.86 142.338,66.542 141.376,65.58 ; v1(156.083,69.85) 156.083,70.092 156.529,70.539 157.411,70.539 C49.2@157.48,70.608 ; v1(159.938,68.594) IC10.8@159.938,69.621 ; 160.413,65.58 141.376,65.58 ; C51.2@170.233,70.445 170.276,70.402 172.935,70.402 IC8.3@172.979,70.358
  Bottom Layer w0.381: v1(98.171,130.81) 99.558,129.423 101.123,129.423 101.854,128.692 v1(101.854,124.587) ; v1(105.918,94.615) v1(108.458,94.615)
  Bottom Layer w0.762: v1(156.083,69.85) 158.496,69.85 159.752,68.594 v1(159.938,68.594)
-5V: C31.2 IC12.5 R39.2 TP11.1 | length 34.2
  Top Layer w0.889: IC12.5@212.897,129.667 216.116,129.667 C31.2@217.297,128.486 ; C31.2@217.297,127.911 C31.2@217.297,128.486 ; R39.2@225.201,152.781 225.806,152.781 225.806,136.525 TP11.1@220.726,131.445 220.513,131.232 220.043,131.232 C31.2@217.297,128.486